# Altium PCB RTM_SFP_no-teardrops.PcbDoc (part 7 of 7)
Units mil, origin at the board's own origin, x right, y up, seen from the top; angles counter-clockwise.
Board outline 7185 x 5846.5 mil, 4 copper layers (Top Layer, MidPlane_1, MidPlane_2, Bottom Layer), stack 63.553 mil thick; 389 components, 333 nets, 1578 pads, 1486 vias.
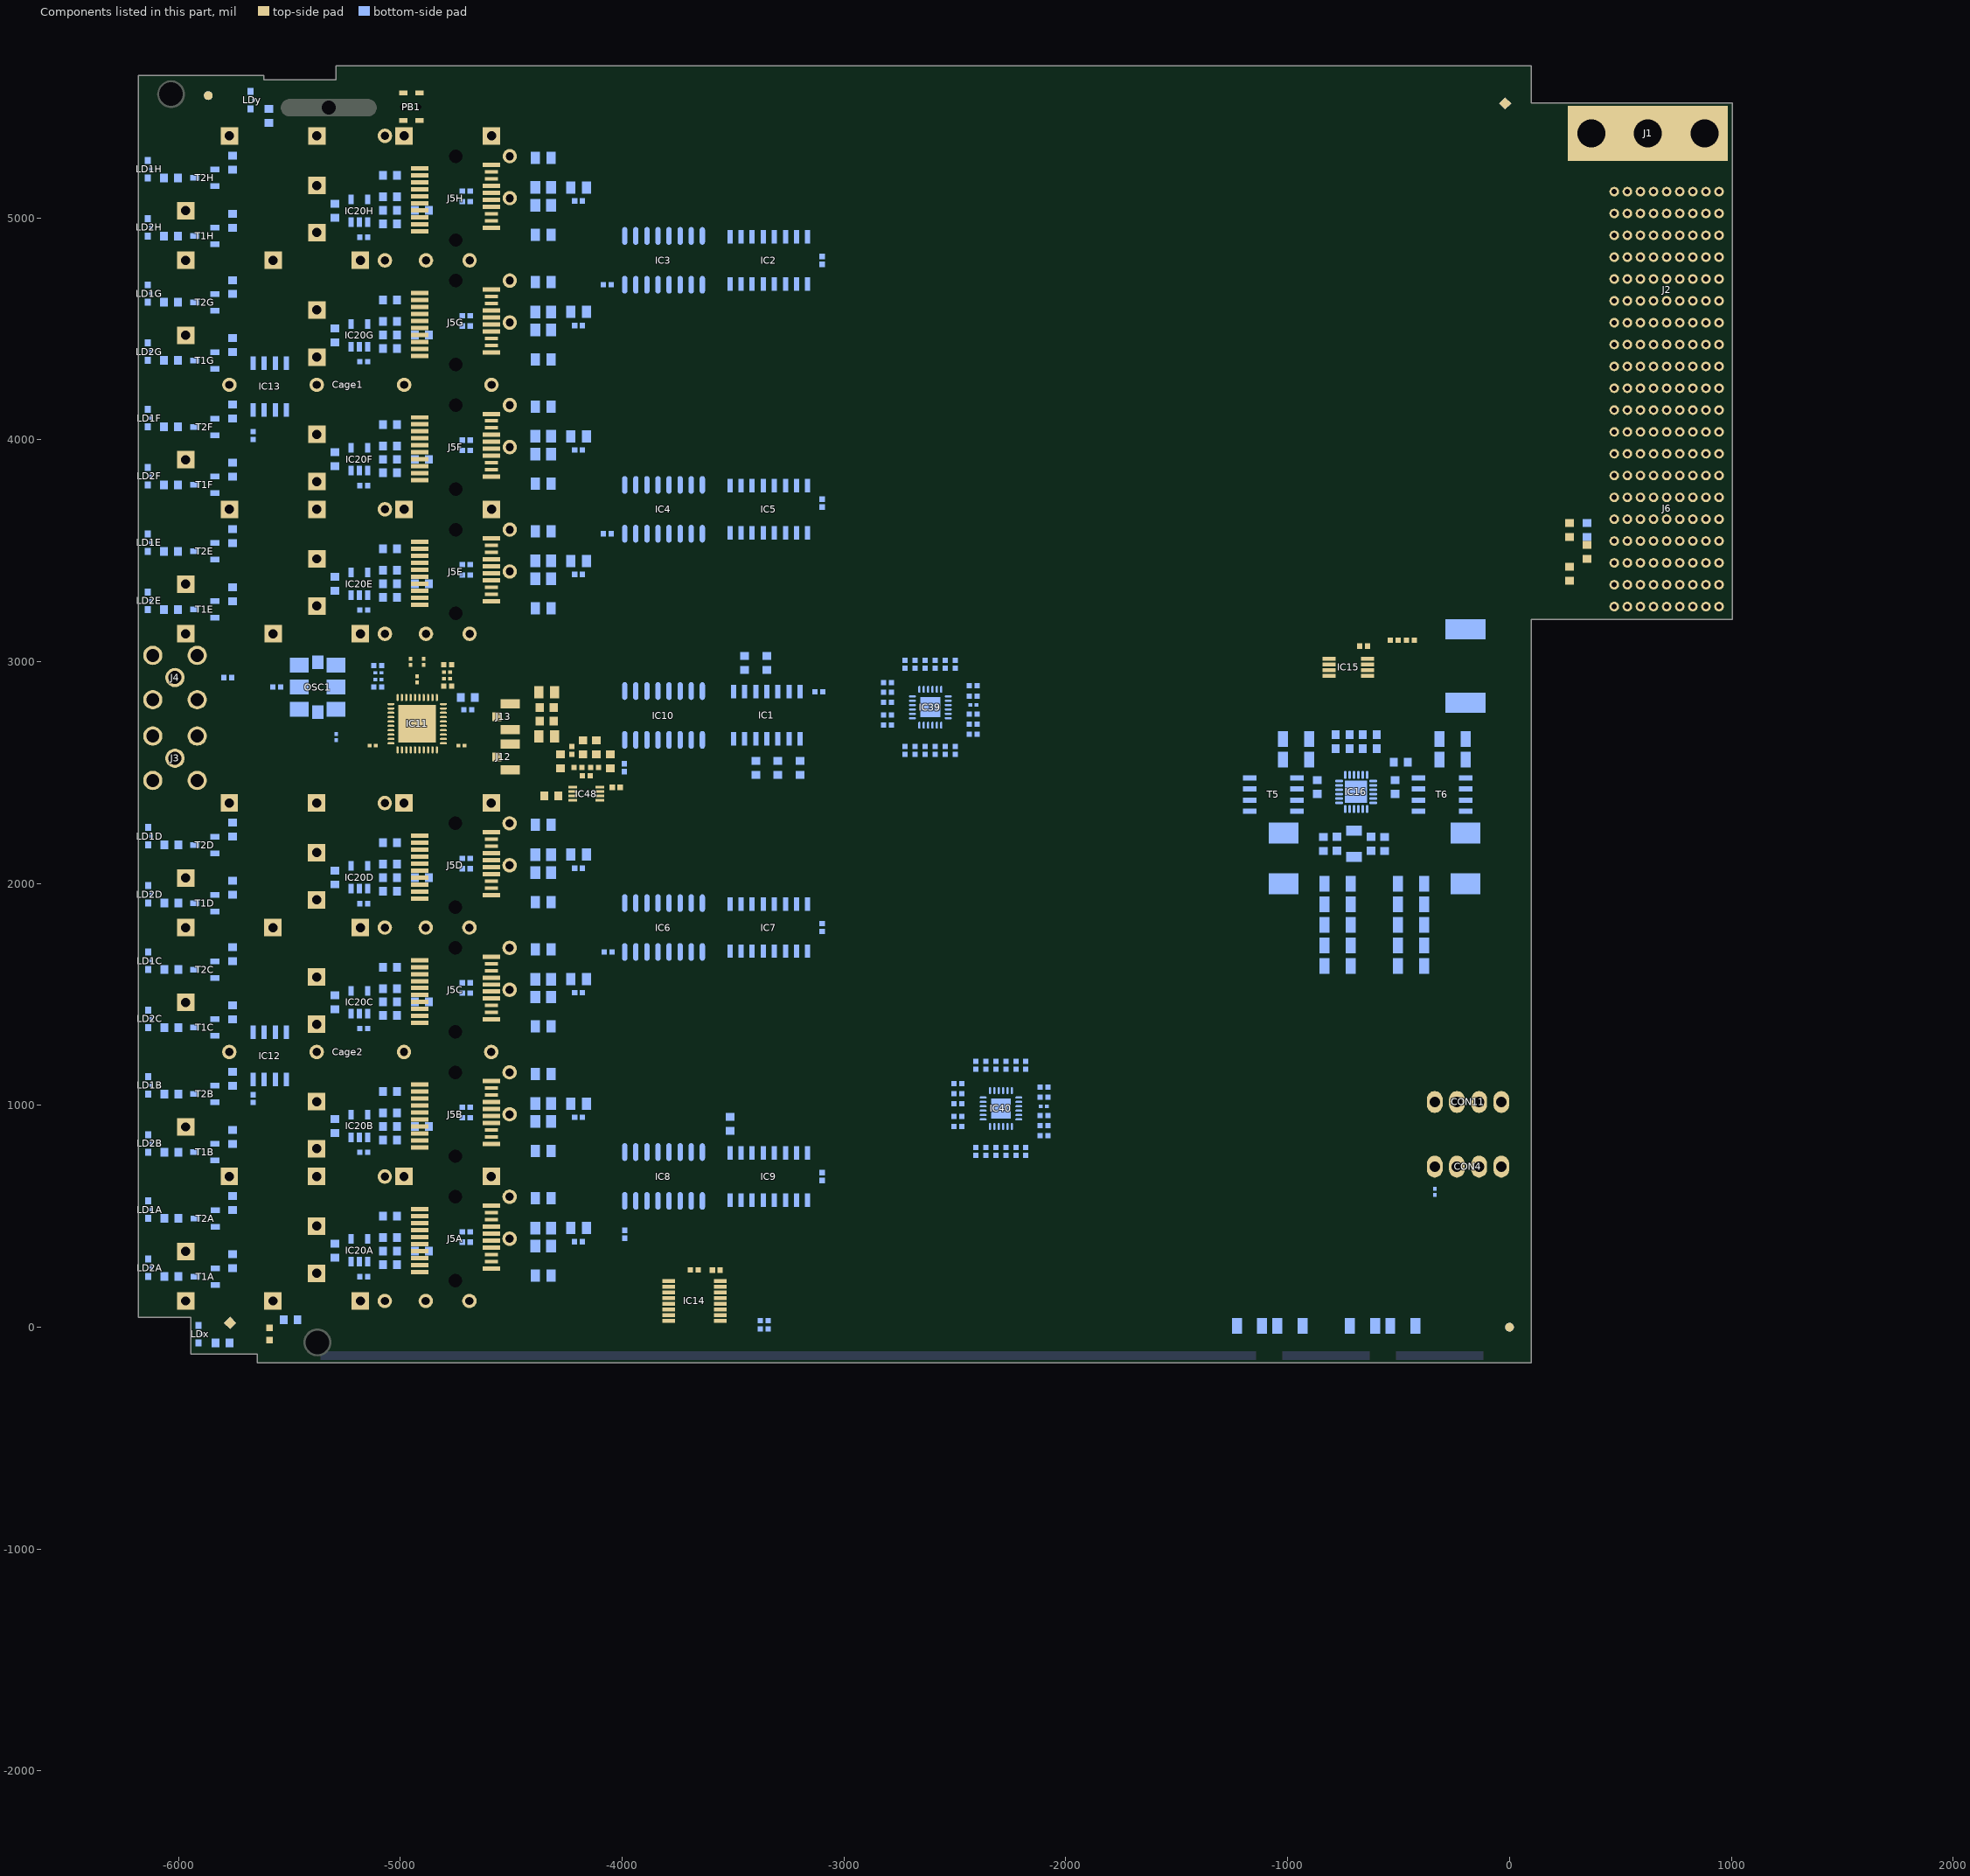
[diagram p9: the components of this part, seen from the top]

## Other copper (continued)
MidPlane_2 (plane layer: these items are gaps in the copper):
  pour cut-out: -4995.28,2790.94 -4853.54,2790.94 -4853.54,2649.21 -4995.28,2649.21
  lines w10: -4683.83,406.29 -4703.32,425.77 -4703.32,596.84 -4683.63,616.53 -4376.94,616.53 -4356.86,596.45 -4356.86,426.76 -4377.33,406.29 ; -4683.83,967.31 -4703.32,986.8 -4703.32,1157.87 -4683.63,1177.55 -4376.94,1177.55 -4356.86,1157.47 -4356.86,987.79 -4377.33,967.31 ; -4683.83,1528.34 -4703.32,1547.82 -4703.32,1718.89 -4683.63,1738.57 -4376.94,1738.57 -4356.86,1718.5 -4356.86,1548.81 -4377.33,1528.34 ; -4683.83,2089.36 -4703.32,2108.84 -4703.32,2279.91 -4683.63,2299.6 -4376.94,2299.6 -4356.86,2279.52 -4356.86,2109.84 -4377.33,2089.36 ; -4683.27,3413.39 -4702.76,3432.87 -4702.76,3603.94 -4683.07,3623.62 -4376.38,3623.62 -4356.3,3603.54 -4356.3,3433.86 -4376.77,3413.39 ; -4683.27,3974.41 -4702.76,3993.89 -4702.76,4164.96 -4683.07,4184.65 -4376.38,4184.65 -4356.3,4164.57 -4356.3,3994.88 -4376.77,3974.41 ; -4683.27,4535.43 -4702.76,4554.91 -4702.76,4725.98 -4683.07,4745.67 -4376.38,4745.67 -4356.3,4725.59 -4356.3,4555.91 -4376.77,4535.43 ; -4683.27,5096.46 -4702.76,5115.94 -4702.76,5287.01 -4683.07,5306.69 -4376.38,5306.69 -4356.3,5286.62 -4356.3,5116.93 -4376.77,5096.46 ; -5110.63,2621.26 -5110.63,2860.63 -5064.57,2906.69 -4777.56,2906.69 -4633.07,2762.2 -4370.47,2762.2 ; -5110.63,2621.26 -5087.8,2598.43 -4369.68,2598.43 -4339.76,2628.35 -4339.76,2731.5 -4370.47,2762.2 ; -5110.63,2621.26 -5133.46,2598.43 -5569.17,2598.43 -5606.3,2635.56 -5606.3,3014.57 -5550,3070.87 -4687.01,3070.87 -4508.66,2892.52 -4371.65,2892.52 -4340.16,2861.02 -4340.16,2792.52 -4370.47,2762.2 ; -4703.32,215.74 -4703.32,386.81 -4684.23,405.9 -4376.94,405.9 -4356.86,385.82 -4356.86,216.13 -4376.94,196.05 -4683.63,196.05 -4703.32,215.74 ; -4703.32,776.76 -4703.32,947.83 -4684.23,966.92 -4376.94,966.92 -4356.86,946.84 -4356.86,777.16 -4376.94,757.08 -4683.63,757.08 -4703.32,776.76 ; -4703.32,1337.79 -4703.32,1508.86 -4684.23,1527.95 -4376.94,1527.95 -4356.86,1507.87 -4356.86,1338.18 -4376.94,1318.1 -4683.63,1318.1 -4703.32,1337.79 ; -4703.32,1898.81 -4703.32,2069.88 -4684.23,2088.97 -4376.94,2088.97 -4356.86,2068.89 -4356.86,1899.21 -4376.94,1879.13 -4683.63,1879.13 -4703.32,1898.81 ; -4702.76,3222.84 -4683.07,3203.15 -4376.38,3203.15 -4356.3,3223.23 -4356.3,3392.91 -4376.38,3412.99 -4683.67,3412.99 -4702.76,3393.9 -4702.76,3222.84 ; -4702.76,3783.86 -4702.76,3954.93 -4683.67,3974.02 -4376.38,3974.02 -4356.3,3953.94 -4356.3,3784.25 -4376.38,3764.17 -4683.07,3764.17 -4702.76,3783.86 ; -4702.76,4344.88 -4702.76,4515.95 -4683.67,4535.04 -4376.38,4535.04 -4356.3,4514.96 -4356.3,4345.28 -4376.38,4325.2 -4683.07,4325.2 -4702.76,4344.88 ; -4702.76,4905.91 -4702.76,5076.98 -4683.67,5096.06 -4376.38,5096.06 -4356.3,5075.99 -4356.3,4906.3 -4376.38,4886.22 -4683.07,4886.22 -4702.76,4905.91
  text "L3" at -826.77,5472.44 h59.06
MidPlane_1 (plane layer: these items are gaps in the copper):
  pour cut-out: -2316.14,1009.45 -2316.14,962.2 -2268.9,962.2 -2268.9,1009.45
  lines w10: 99.78,2968.03 -264.42,2968.03 -349.02,3052.63 -349.02,3326.63 -230.77,3444.88 1005.08,3444.88
  text "L2" at -964.57,5472.44 h59.06

## Silkscreen, mask and mechanical layers (free items; w line width, h text height)
Outline:
  the board outline again, w5
Dimensions:
  drawing of 2814 lines, arcs and shapes, not listed
Mechanical 3:
  circle w5: c-4961.12,5539.03 r10
  lines w9.84: -6073.07,-858.96 -337.56,-858.96 ; -6073.07,-663.48 -337.56,-663.48 ; -6133.07,-2128.74 ccw(c-6070.08,-2128.74) -6070.08,-2191.73 -340.55,-2191.73 ccw(c-340.55,-2128.74) -277.56,-2128.74 -277.56,-484.25 ccw(c-340.55,-484.25) -340.55,-421.26 -6070.08,-421.26 ccw(c-6070.08,-484.25) -6133.07,-484.25 -6133.07,-2128.74
  text "Layer Stack Up Detail for: RTM_SFP.PcbDoc" at -6073.07,-611.47 h92.52
  text "Layer" at -6073.07,-736.32 h45.28
  text "Gerber" at -4845.85,-736.32 h45.28
  text "Copper" at -4222.1,-736.32 h45.28
  text "Dielectric" at -3524.42,-736.32 h45.28
  text "Dielectric" at -2795.07,-736.32 h45.28
  text "Dielectric" at -1882.7,-736.32 h45.28
  text "Dielectric" at -1153.34,-736.32 h45.28
  text "Name" at -6073.07,-826.87 h45.28
  text "Document" at -4845.85,-826.87 h45.28
  text "Thickness" at -4222.1,-826.87 h45.28
  text "Height" at -3524.42,-826.87 h45.28
  text "Material" at -2795.07,-826.87 h45.28
  text "Constant" at -1882.7,-826.87 h45.28
  text "Type" at -1153.34,-826.87 h45.28
  text "Top Solder Mask" at -6073.07,-957.87 h62.99
  text "(.GTS)" at -4845.85,-957.87 h62.99
  text "0.0102mm" at -3524.42,-957.87 h62.99
  text "Solder Resist" at -2795.07,-957.87 h62.99
  text "3.50" at -1882.7,-957.87 h62.99
  text "Top Layer" at -6073.07,-1145.84 h62.99
  text "(.GTL)" at -4845.85,-1145.84 h62.99
  text "0.0356mm" at -4222.1,-1145.84 h62.99
  text "0.381mm" at -3524.42,-1239.83 h62.99
  text "FR-4" at -2795.07,-1239.83 h62.99
  text "4.80" at -1882.7,-1239.83 h62.99
  text "PrePreg" at -1153.34,-1239.83 h62.99
  text "PWR" at -6073.07,-1333.82 h62.99
  text "(.GP1)" at -4845.85,-1333.82 h62.99
  text "0.0356mm" at -4222.1,-1333.82 h62.99
  text "0.71mm" at -3524.42,-1427.8 h62.99
  text "FR-4" at -2795.07,-1427.8 h62.99
  text "4.80" at -1882.7,-1427.8 h62.99
  text "Core" at -1153.34,-1427.8 h62.99
  text "GND" at -6073.07,-1521.79 h62.99
  text "(.GP2)" at -4845.85,-1521.79 h62.99
  text "0.0356mm" at -4222.1,-1521.79 h62.99
  text "0.381mm" at -3524.42,-1615.78 h62.99
  text "FR-4" at -2795.07,-1615.78 h62.99
  text "4.80" at -1882.7,-1615.78 h62.99
  text "PrePreg" at -1153.34,-1615.78 h62.99
  text "Bottom Layer" at -6073.07,-1709.77 h62.99
  text "(.GBL)" at -4845.85,-1709.77 h62.99
  text "0.0356mm" at -4222.1,-1709.77 h62.99
  text "Bottom Solder Mask" at -6073.07,-1897.74 h62.99
  text "(.GBS)" at -4845.85,-1897.74 h62.99
  text "0.0102mm" at -3524.42,-1897.74 h62.99
  text "Solder Resist" at -2795.07,-1897.74 h62.99
  text "3.50" at -1882.7,-1897.74 h62.99

## Text inside footprints (layer, text, board x,y; h text height)
Cage1: Drill Drawing "20x diam. 0.95mm +/-0.05" at -5562.02,3318.36 h39.37 r90; Drill Drawing "26x diam. 1.05mm +/-0.05" at -5643.91,3314.42 h39.37 r90; Drill Drawing "PRESS-FIT TECHNOLOGY" at -5469.69,3424.66 h39.37 r90
Cage2: Drill Drawing "20x diam. 0.95mm +/-0.05" at -5562.58,311.27 h39.37 r90; Drill Drawing "26x diam. 1.05mm +/-0.05" at -5644.47,307.33 h39.37 r90; Drill Drawing "PRESS-FIT TECHNOLOGY" at -5470.25,417.57 h39.37 r90
J1: Mechanical 8 "PCB Edge" at 1062.98,5246.51 h39.37 r90
J2: Drill Drawing "diam. 0.6mm +0.06 -0" at 1064.96,4356.3 h39.37 r90; Drill Drawing "PRESS-FIT TECHNOLOGY" at 425.2,4374.02 h39.37 r90; Mechanical 8 "PCB Edge" at 1057.68,4555.12 h39.37 r90; Top Overlay "A10" at 1061.02,5039.37 h43.31 r90; Top Overlay "A1" at 1061.02,4232.28 h43.31 r90; Mechanical 14 "A10" at 1061.02,5039.37 h43.31 r90; Mechanical 14 "A1" at 1061.02,4232.28 h43.31 r90
J6: Drill Drawing "diam. 0.6mm +0.06 -0" at 1064.96,3372.05 h39.37 r90; Drill Drawing "PRESS-FIT TECHNOLOGY" at 425.2,3389.76 h39.37 r90; Mechanical 8 "PCB Edge" at 1057.68,3570.87 h39.37 r90; Top Overlay "A10" at 1061.02,4055.12 h43.31 r90; Top Overlay "A1" at 1061.02,3248.03 h43.31 r90; Mechanical 14 "A10" at 1061.02,4055.12 h43.31 r90; Mechanical 14 "A1" at 1061.02,3248.03 h43.31 r90